# KiCad board kharon386_main.kicad_pcb (continued)
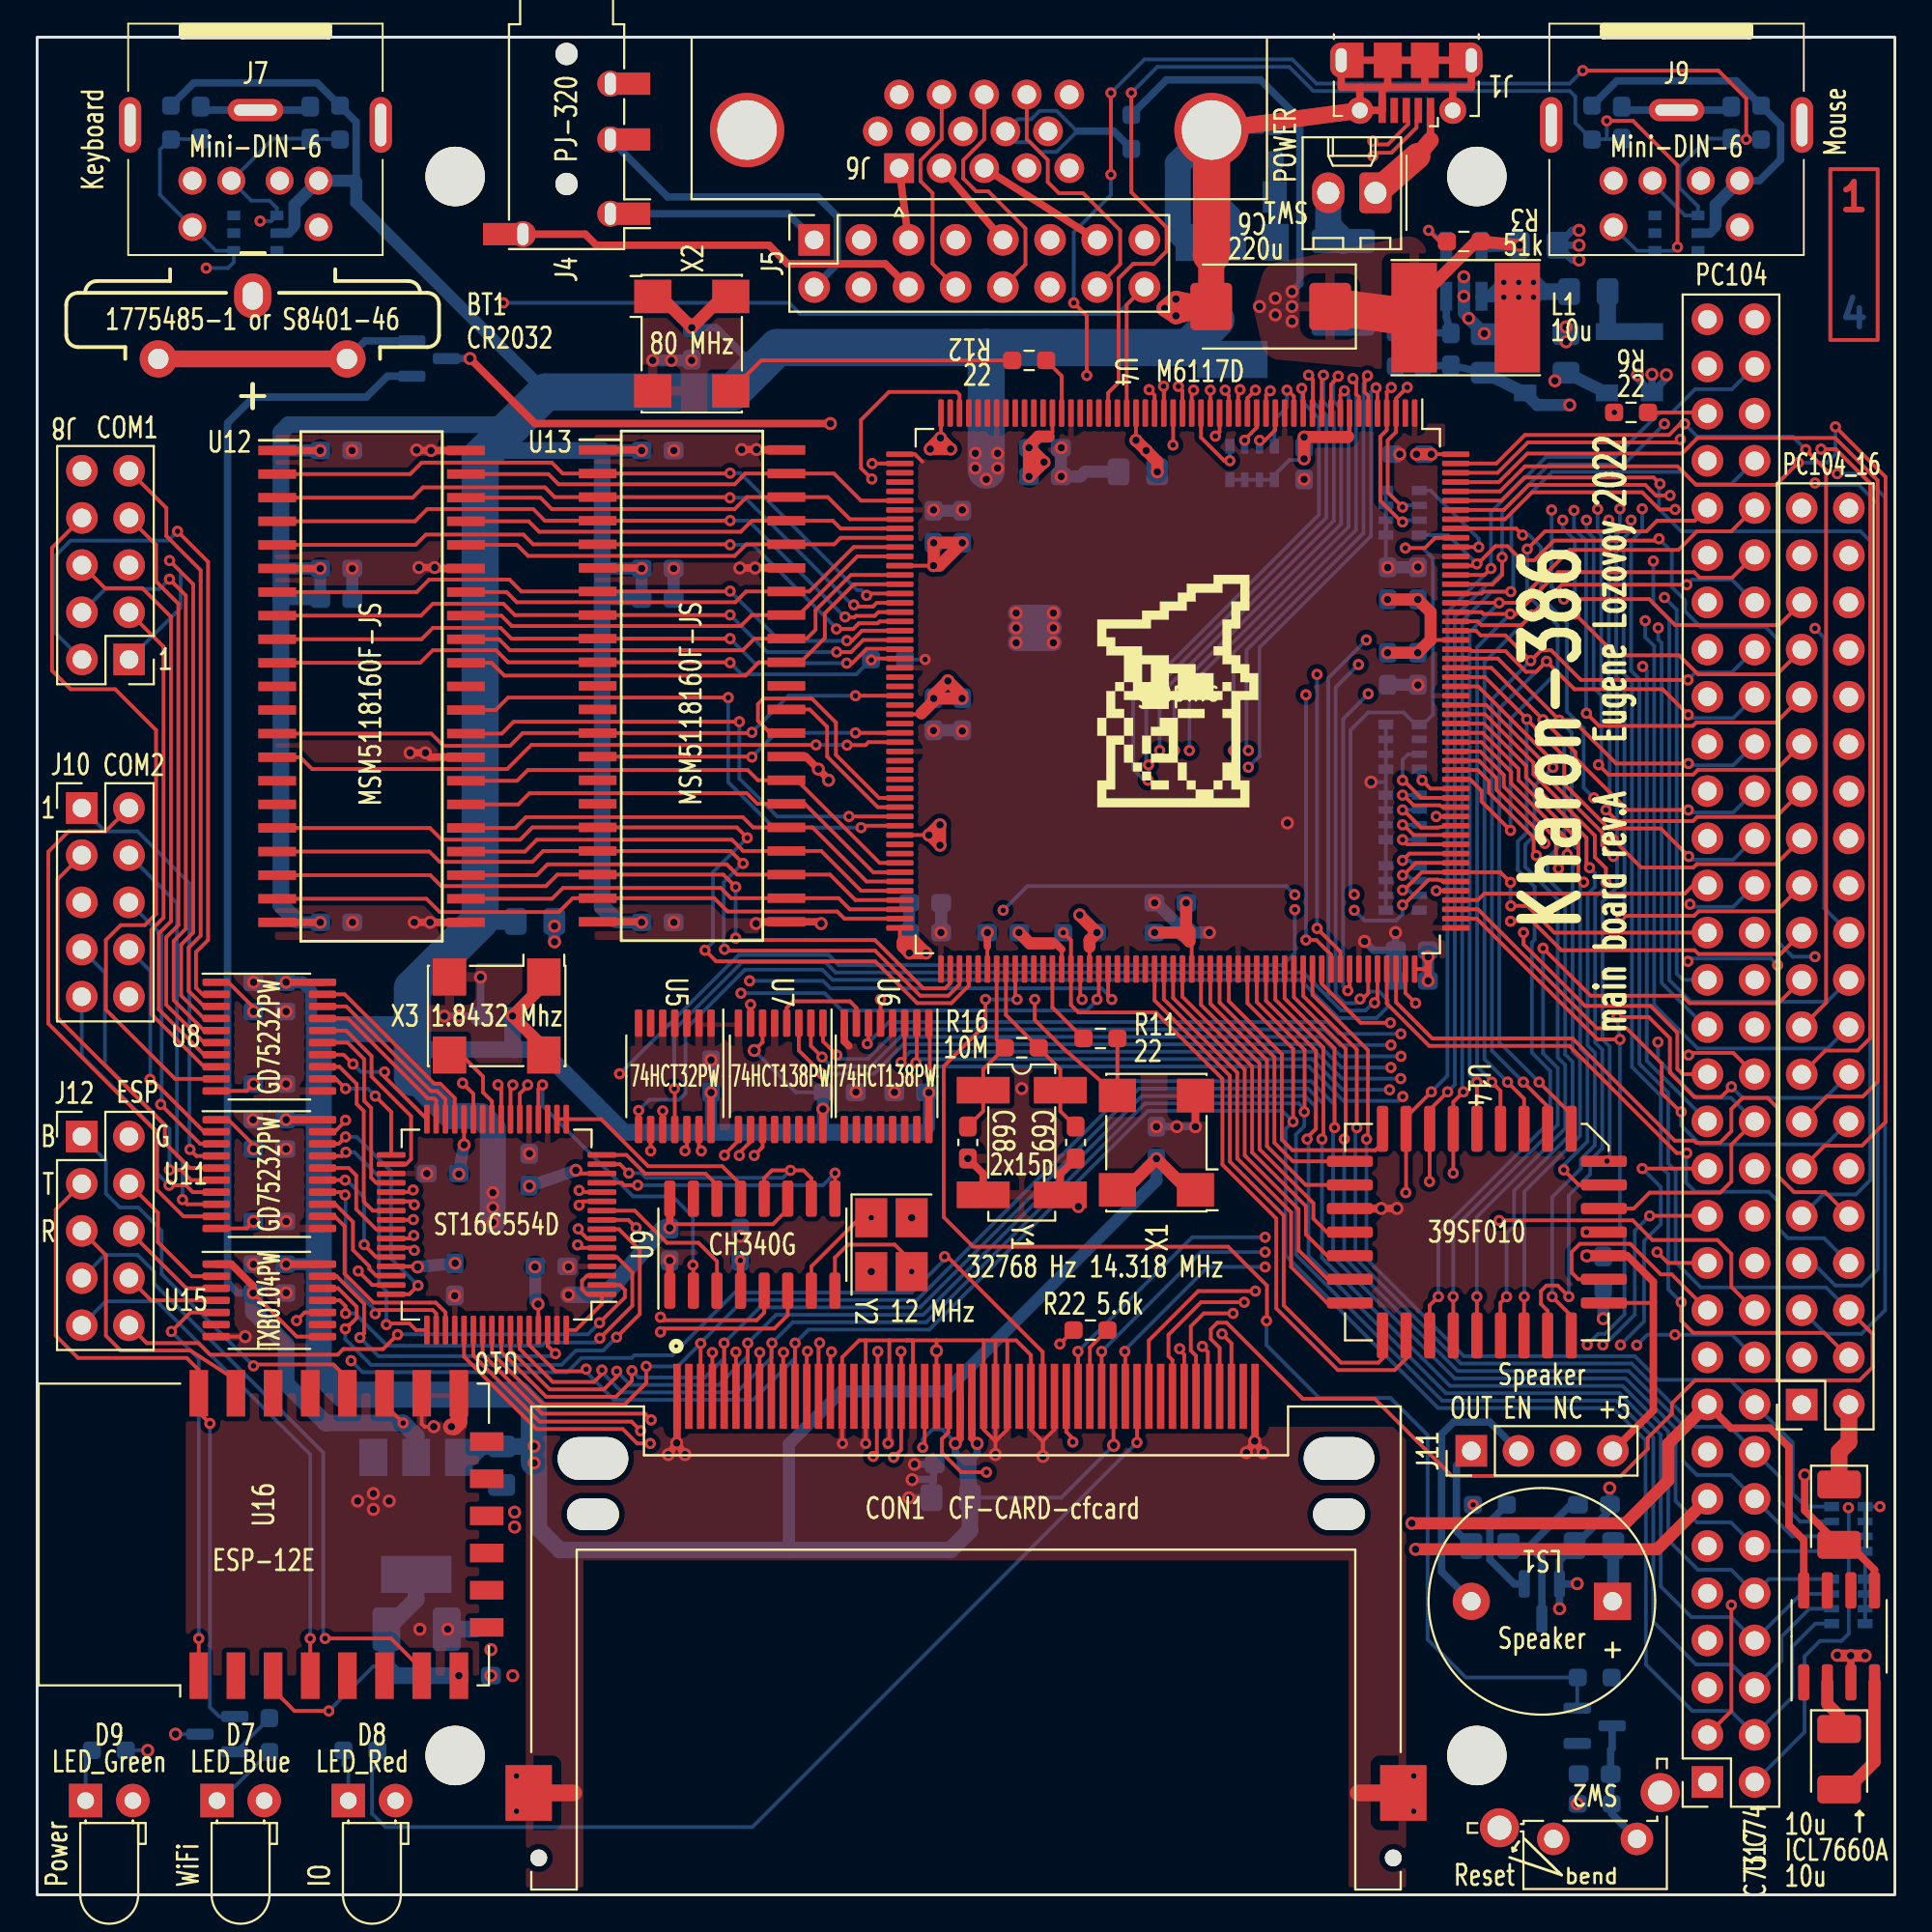
[diagram p0: board, top side]
## Routing (per net, layer and track width the routed paths; a pad name or vN(x,y) marks a point on that pad's centre or on a via; arc(x,y) is an arc through that point) (continued)
/TX_USB: length 8.9
  Top w0.2: 36.59,32.52 36.59,34.1 35.6,35.1 33.9,35.1 32.17,36.83 U10.10
/UART_INTA: length 12.4
  Top w0.2: v2(29.1,34.99) 29.25,34.83 U10.6 ; U5.9 v2(33.03,40.05)
  In2.Cu w0.2: v2(33.03,40.05) 29.13,40.05 28.05,38.97 28.05,36.03 v2(29.1,34.99)
/UART_INTB: length 9.5
  Top w0.2: v2(29.17,37.92) 29.26,37.83 U10.12 ; U5.12 34.97,40.15 v2(34.88,40.05)
  In2.Cu w0.2: v2(29.17,37.92) 29.22,37.92 29.54,37.6 32.7,37.6 34.88,39.78 v2(34.88,40.05)
/UART_INTC: length 18.2
  Top w0.2: v2(20.24,37.94) 20.12,37.83 U10.37 ; v2(33.67,42.2) U5.10
  In2.Cu w0.2: v2(20.24,37.94) 20.24,39.24 22.5,41.5 32.97,41.5 v2(33.67,42.2)
/UART_INTD: length 20.7
  Top w0.2: U5.13 35.62,40.17 v2(35.75,40.05) ; v2(20.3,34.69) 20.16,34.83 U10.43
  In2.Cu w0.2: v2(20.3,34.69) 20.36,34.69 26.36,40.7 35.1,40.7 v2(35.75,40.05)
/USB_DN: length 115.7
  Top w0.2: v2(71.9,93.6) 72.07,93.77 72.89,93.77 74.25,95.13 74.25,95.48 74.35,95.58 J1.2 ; 40.41,32.52 40.41,31.2 39.68,30.48 33.74,30.48 v2(33.55,30.3)
  In2.Cu w0.2: v2(71.9,93.6) 71.73,93.77 70.71,93.77 66.01,98.47 44.19,98.47 42.53,96.81 42.53,94.01 39.12,90.61 39.12,83.99 39.82,83.29 39.82,38.71 37.03,35.91 37.03,33.31 34.2,30.48 33.74,30.48 v2(33.55,30.3)
/USB_DP: length 113.4
  Top w0.2: 39.13,32.52 39.13,31.33 38.73,30.93 33.71,30.93 v2(33.55,31.1) ; v2(71.9,94.4) 72.07,94.23 72.71,94.23 73.8,95.32 73.8,95.48 73.7,95.58 J1.3
  In2.Cu w0.2: v2(71.9,94.4) 71.73,94.23 70.89,94.23 66.19,98.92 44.01,98.92 42.07,96.99 42.07,94.19 38.67,90.79 38.67,83.81 39.38,83.11 39.38,38.89 36.57,36.09 36.57,33.49 34.01,30.93 33.71,30.93 v2(33.55,31.1)
/VGA_B: length 7.2
  Top w0.4: J6.3 J5.13
/VGA_G: length 5.1
  Top w0.4: J6.2 J5.9
/VGA_HS: length 13.1
  Top w0.2: J5.10 53.2,87.76 53.2,89.7 51.2,91.7 50.55,91.7 49.85,92.4 49.85,93.37 50.98,94.5 J6.13
/VGA_MON: length 11.6
  Top w0.2: J5.8 48.2,87.79 48.2,91.6 47.55,92.25 47.55,93.36 48.69,94.5 J6.12
/VGA_R: length 3.9
  Top w0.4: J6.1 J5.5
/VGA_VS: length 13.7
  Top w0.2: J6.14 53.27,94.52 54.4,93.39 54.4,92.2 55,91.6 56.3,91.6 58.3,89.6 58.3,87.78 J5.14
/WEJ: length 34.9
  Top w0.2: U12.13 21.21,62.51 21.88,61.85 25.45,61.85 26.14,62.54 U13.13 38.44,62.54 v2(38.47,62.57) ; v2(44.05,64.55) U4.79
  Bottom w0.2: v2(38.47,62.57) 40.45,64.55 v2(44.05,64.55)
/XD0: length 16.9
  Top w0.2: U4.136 64.15,48.1 67,45.25 67,40.65 67.57,40.08 72.03,40.08 72.42,40.47 U14.13
/XD1: length 15.1
  Top w0.2: U14.14 67.6,39.48 66.6,40.48 66.6,45.09 63.65,48.04 U4.135
/XD2: length 16.1
  Top w0.2: U4.134 63.15,47.97 63.25,47.87 66.2,44.92 66.2,40.3 68.28,38.21 U14.15
/XD3: length 18.2
  Top w0.2: U14.17 69.42,35.67 68.7,36.4 68.7,37.24 65.8,40.13 65.8,44.76 62.65,47.91 U4.133
/XD4: length 19.9
  Top w0.2: U14.18 69.44,34.41 68.3,35.55 68.3,37.07 65.4,39.97 65.4,44.59 61.65,48.34 U4.131
/XD5: length 21.3
  Top w0.2: U4.130 61.15,48.28 65,44.42 65,39.8 67.9,36.91 67.9,34.7 69.47,33.13 U14.19
/XD6: length 22.8
  Top w0.2: U4.129 60.65,48.21 64.6,44.26 64.6,39.64 67.5,36.74 67.5,33.8 69.44,31.86 U14.20
/XD7: length 28.9
  Top w0.2: U14.21 72.42,28.87 72.2,28.65 70.18,28.65 67.1,31.73 67.1,36.57 64.2,39.47 64.2,44.1 60.15,48.15 U4.128
/~{CF_BUSY}: length 56.1
  Top w0.2: CON1.45 59.21,24.36 v2(59.2,24.35)
  Bottom w0.2: R18.2 18.31,7.01 18.02,6.72 18.02,4.38 18.75,3.65 38.5,3.65 v2(59.2,24.35)
Net-(BT1-Pad1): length 14
  Top w0.9: BT1.1 BT1.1
  Bottom w0.4: D2.2 17.65,83.65 BT1.1
Net-(C3-Pad2): length 5.9
  Bottom w0.4: U2.3 75.85,84.95 C3.2 R1.2 R5.2
Net-(C8-Pad1): length 12.9
  Bottom w0.65: v2(78.95,86) 78.9,86.05 U2.1 78.2,86.05 v2(78.95,86.8)
  Bottom w0.9: v2(80.55,86) v2(78.95,86) v2(78.95,86.8) v2(80.55,86.8) 81.05,86.3 C8.1 ; v2(79.75,86) 79.75,85.25 80.1,84.9 ; 80.1,84.9 80.1,86.45 v2(79.75,86.8) ; 80.1,84.9 D1.2
Net-(C8-Pad2): length 4.6
  Bottom w0.9: D5.2 D6.1 84.54,84.19 C8.2
Net-(C35-Pad1): length 6.7
  Bottom w0.4: SW2.1 84.75,4.38 R7.2 84.7,4.95 84.7,6.5 ; 84.7,6.5 84.7,7.8 84.78,7.88 U3.3
Net-(C67-Pad2): length 1.6
  Top w0.4: 37.86,32.52 37.86,34.13 v2(37.85,34.15)
  Bottom w0.4: v2(37.85,34.15) C67.2
Net-(C68-Pad1): length 9.5
  Top w0.2: U4.111 51.65,46.04 R16.1 50.92,44.44 50.92,42.19 C68.1
Net-(C69-Pad1): length 10
  Top w0.2: U4.112 52.15,47.36 R16.2 55.07,44.44 Y1.4 55.07,42.19 C69.1
Net-(C70-Pad1): length 7.4
  Top w0.2: 42.94,32.52 42.94,34.31 43.64,35 46.16,35 47.07,34.09 v2(47.07,33.55)
  Bottom w0.4: C70.1 47.03,33.6 v2(47.07,33.55)
Net-(C71-Pad1): length 5.8
  Top w0.2: v2(44.9,36.45) 44.3,36.45 41.67,33.82 41.67,32.52
  Bottom w0.4: v2(44.9,36.45) 44.92,36.47 C71.1
Net-(C72-Pad1): length 8.8
  Bottom w0.4: 80.33,18.77 R20.2 ; 80.33,18.77 81,18.1 Q2.3 ; 80.33,18.77 82.56,21 C72.1
Net-(C73-Pad1): length 2.8
  Top w0.65: 96.36,11.44 96.36,10.28 97,9.65 C73.1
Net-(C73-Pad2): length 6.8
  Top w0.65: C73.2 97.42,5.67 98.91,7.16 U17.4
Net-(CON1-Pad43): length 4
  Top w0.2: R22.1 57.61,30.31 57.6,30.3 57.5,30.3 56.67,29.47 CON1.43
Net-(D3-Pad2): length 4.4
  Bottom w0.65: R4.1 D3.2 66.62,88.95
Net-(D7-Pad1): length 3.9
  Bottom w0.2: R17.1 9.89,5.07 D7.1
Net-(D8-Pad1): length 2.8
  Bottom w0.2: R18.1 16.49,6.99 16.75,6.72 D8.1
Net-(D9-Pad1): length 2.8
  Bottom w0.2: D9.1 2.61,7.44 R19.1
Net-(F1-Pad2): length 2.9
  Bottom w1.4: 70.3,89.02 69.5,89.82 SW1.2
Net-(J1-Pad1): length 5.7
  Top w0.4: J1.1 75,94.45
  Top w0.9: 74.3,93.6 75,94.45
  Top w1.4: SW1.1 74.3,93.6
Net-(J3-Pad59): length 3.2
  Top w0.2: R6.1 89.84,79.8 89.91,79.73
Net-(J4-PadS): length 21.9
  Top w0.4: J4.S 29.5,89.39 30.1,88.8 39.4,88.8 40.4,87.8 45.66,87.8 J5.6
Net-(J6-Pad9): length 12.8
  Bottom w0.2: 55.92,95 54.89,96.03 53.96,96.03 53.52,95.58 52.78,95.58 J6.9 52.71,94.35 53.45,94.35 53.97,93.82 54.88,93.82 56,94.94
  Bottom w0.4: 56,94.94 57.94,94.94 R8.2
Net-(J11-Pad1): length 5.8
  Bottom w0.4: R20.1 76.4,19.57 76.4,23.1 J11.1
Net-(J11-Pad2): length 14.7
  Bottom w0.4: LS1.2 75.6,17.4 75.6,24.8 76.25,25.45 78.19,25.45 J11.2
Net-(J12-Pad4): length 7.7
  Top w0.2: U15.2 8.33,33.3 6.5,35.13 6.5,36.72 J12.4
Net-(J12-Pad6): length 6
  Top w0.2: J12.6 8.03,32.65 U15.3
Net-(J12-Pad8): length 5.2
  Top w0.2: J12.8 6.14,32 U15.4
Net-(Q1-Pad2): length 2.6
  Bottom w0.2: Q1.2 10.69,7.7 R17.2
Net-(Q2-Pad1): length 5.7
  Bottom w0.4: R21.2 78.2,20.09 78.2,18.05 79.51,16.74 Q2.1
Net-(R3-Pad2): length 2.5
  Top w0.2: v2(74.9,89.6) 75.5,89 R3.2
  Bottom w0.2: U2.4 75,89.6 v2(74.9,89.6)
Net-(R11-Pad1): length 4.4
  Top w0.2: R11.1 54.65,47.77 U4.117
Net-(R12-Pad1): length 3.2
  Top w0.2: R12.1 55.15,81.76 U4.39
Net-(U6-Pad7): length 5.7
  Top w0.2: U6.7 44.1,47.75 43.75,48.1 40.7,48.1 40.35,47.75 U7.4
Net-(U10-Pad1): length 5.9
  Top w0.2: U10.3 29.6,33.33 29.33,33.06 29.33,32.6 29.6,32.33 U10.1 30.41,31.8 29,30.41 U10.64
Net-(U10-Pad25): length 4.8
  Top w0.2: U10.25 24.48,42.72 24,43.2 24,44.05 22.84,45.21 X3.3

## Copper pours and planes (outline as drawn; the poured copper is in the pictures)
+5V on Top: 75.8,50.4 47,50.4 47,79.2 75.8,79.2
+5V on Top: 19.53,41.28 29.93,41.28 29.93,30.88 19.53,30.88
+5V on Top, In2.Cu: 74.8,81.9 66.1,82.7 65.45,85.5 66.1,87.75 74.8,89.5
+5V on Bottom: 68.25,86.45 71.5,86.9 71.6,81.7 62.45,81.7 61.75,89.05 66.7,89.05
+5V on In2.Cu: 100.4,100.4 100.6,-0.4 -0.6,-0.4 -0.4,100.4
GND on Top: 15.5,42.8 9.5,42.8 9.5,49.6 15.5,49.6
GND on Top: 43.6,32.5 33.4,32.5 33.4,37.6 43.6,37.6
GND on Top: 28.44,50.16 28.44,44.76 21.04,44.76 21.04,50.16
GND on Top: 48.38,41.16 31.92,41.16 31.92,46.96 48.38,46.96
GND on Top: 23.2,51.4 12.8,51.4 12.8,78.6 23.2,78.6
GND on Top: 83.6,30.88 71.4,30.88 71.4,40.47 83.6,40.47
GND on Top: 40.6,51.4 30,51.4 30,78.6 40.6,78.6
GND on Top: 73.7,0.4 70.6,0.4 70.6,18 29.4,18 29.4,0.4 26.3,0.4 26.3,25.2 73.7,25.2
GND on Top: 37.94,79.8 32.54,79.8 32.54,87.2 37.94,87.2
GND on Top: 15.5,35.4 9.5,35.4 9.5,42.2 15.5,42.2
GND on Top: 15.5,29.4 9.5,29.4 9.5,34.6 15.5,34.6
GND on Top: 23.8,11.8 8,11.8 8,27 23.8,27
GND on Top: 63,36.8 57.6,36.8 57.6,44.2 63,44.2
GND on Top: 55.9,36.3 50.1,36.3 50.1,44.5 55.9,44.5
GND on Bottom, In1.Cu: 100.4,100.4 100.6,-0.4 -0.6,-0.4 -0.4,100.4

## Text on the board
Bottom: 4
Top: 1
F.Fab: Layers: 4 / Dimensions: 100x100mm / Thickness: 1.6mm | Min clearance: 0.2mm / Min track: 0.2mm / Min hole: 0.3mm / Min annular ring: 0.15mm
F.Silkscreen: Eugene Lozovoy 2022 | main board rev.A | Kharon-386
In1.Cu: 2
In2.Cu: 3
